# Altium PCB Goldstrike1_Rev01 2014 06 02.PcbDoc (part 3 of 5) (continued)
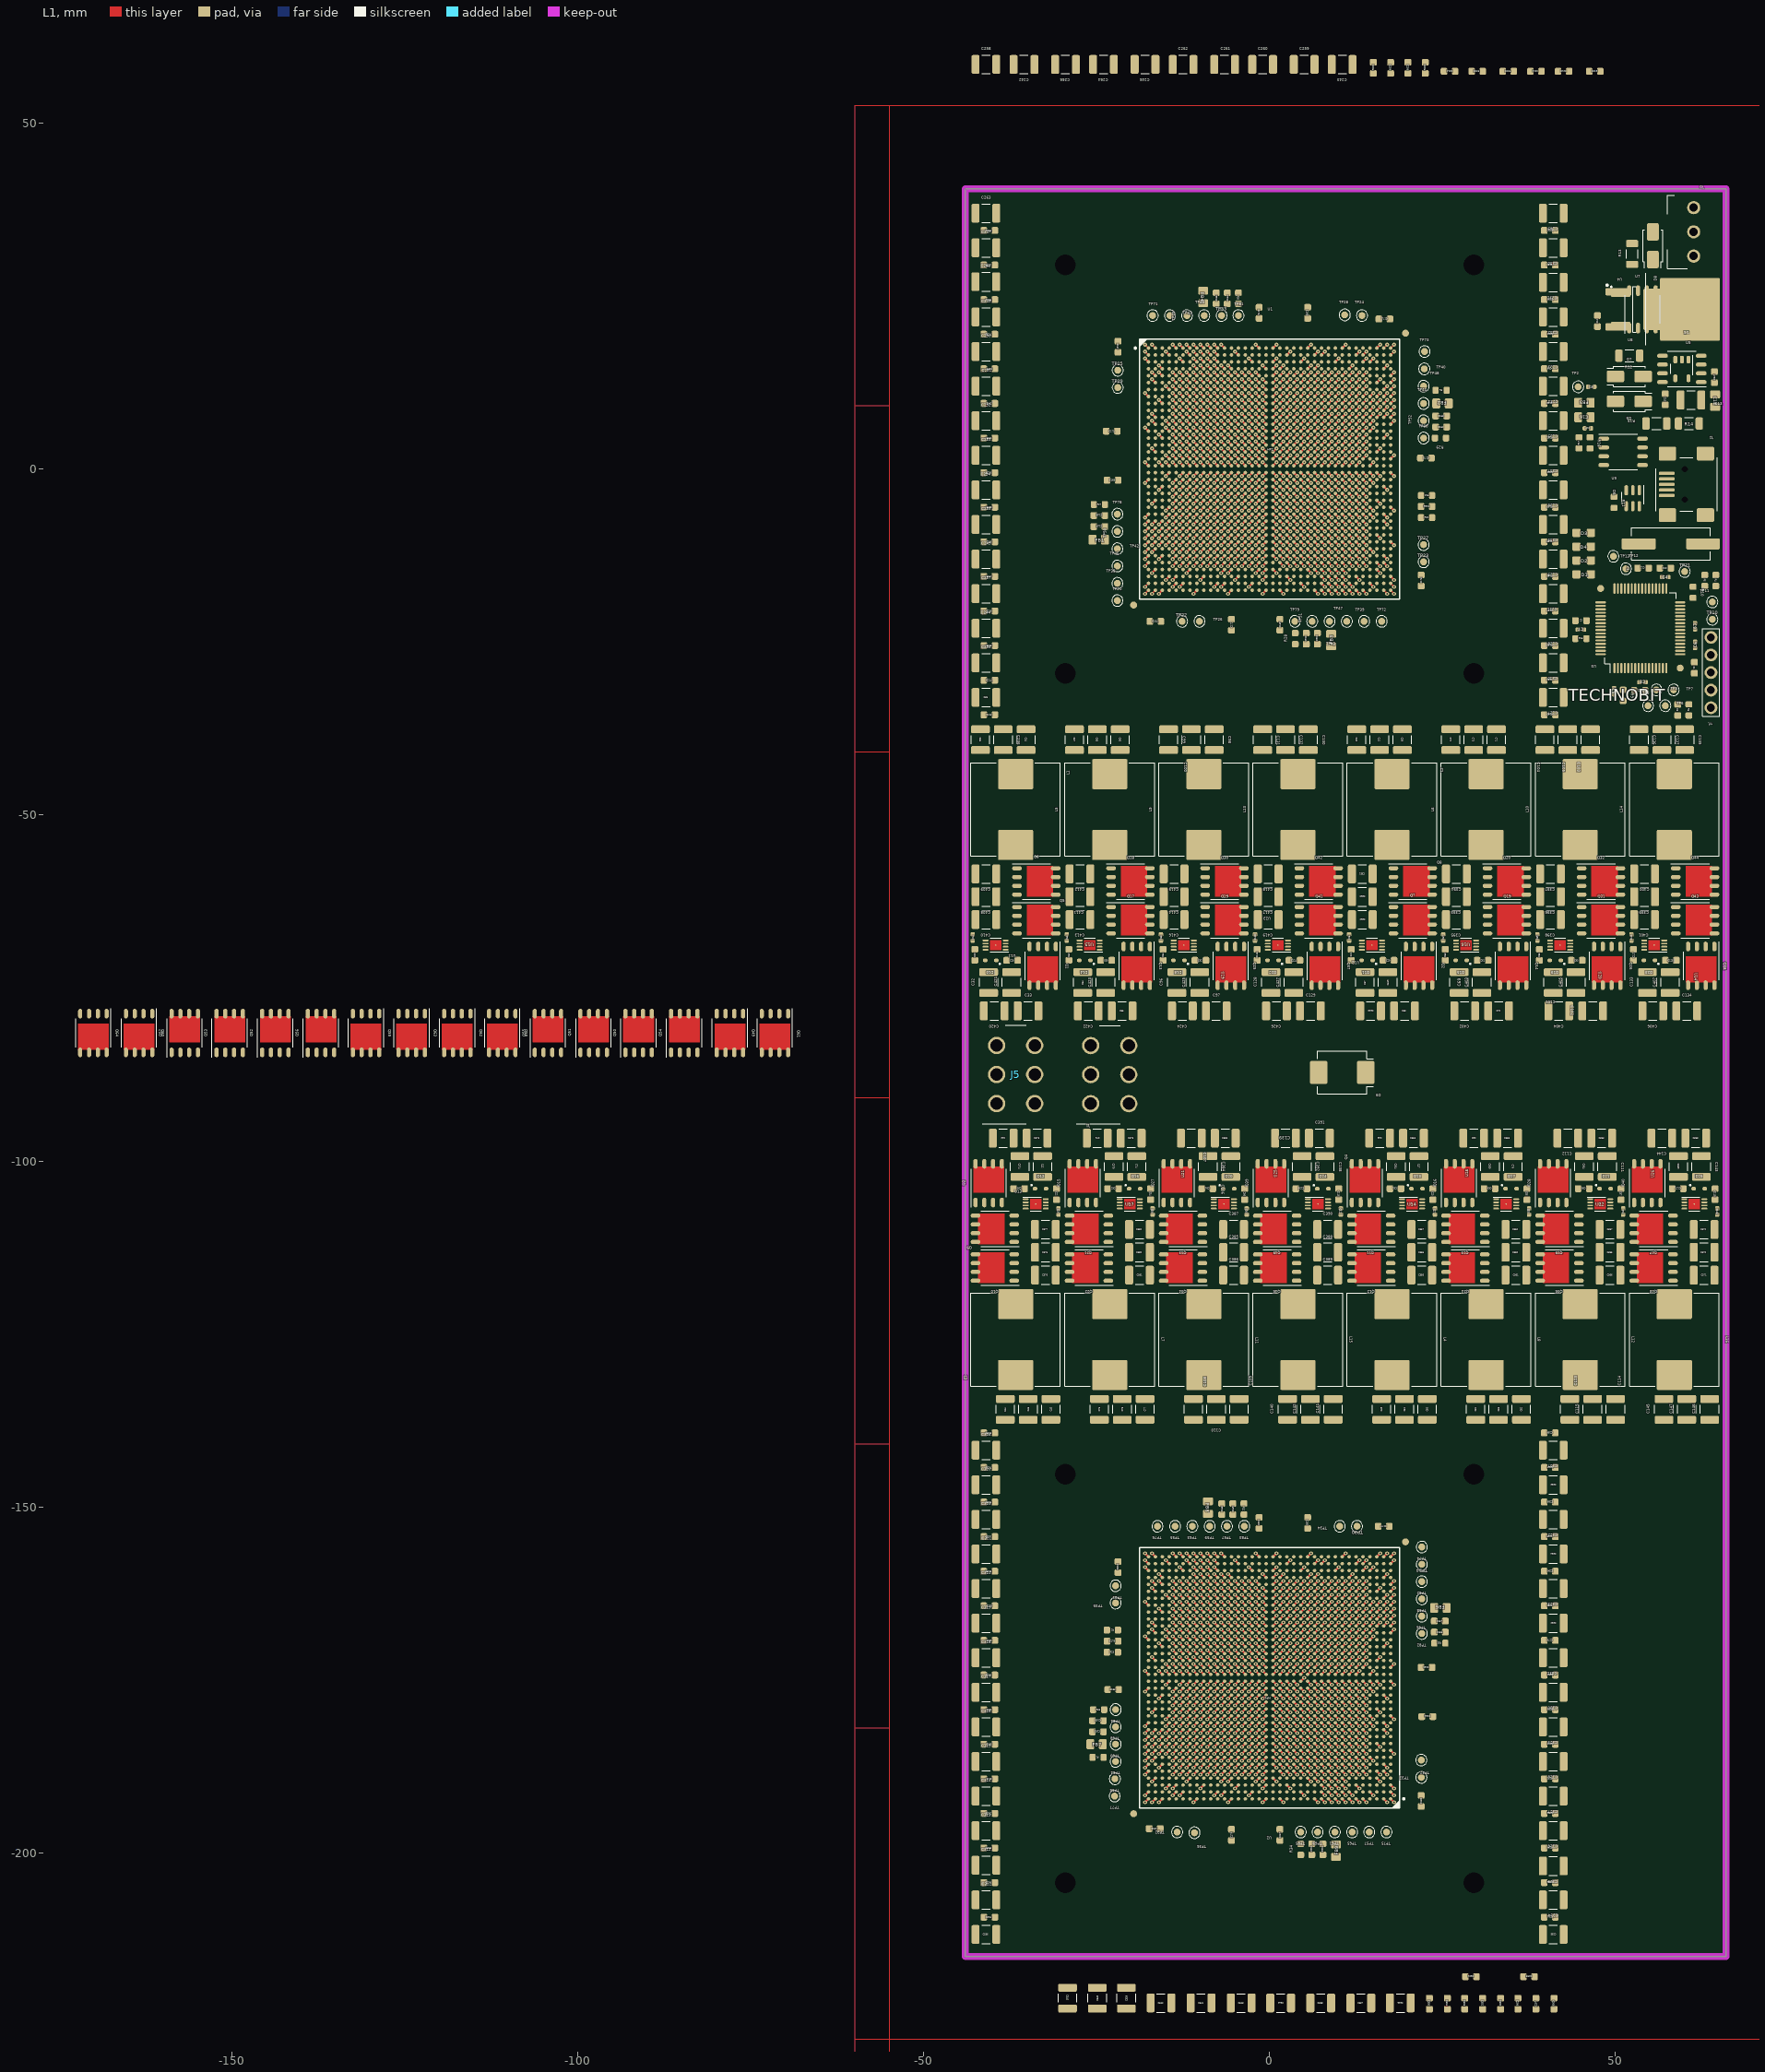
[diagram p0: L1 view]
## Nets (pads, with @x,y where several pads share a name; then routed paths per layer and width w, separated by ;. In a path a pad name is that pad's centre, name@x,y a point inside that pad or via, vN(x,y) a via of type N, cw(c..) or ccw(c..) an arc to the next point about the centre after c; other vN are vias at no path point) (continued)
3.3V: C4.1 C6.1 C7.1 C8.1 C9.1 C13.2 C14.1 C24.1 C25.1 C26.1 C27.1 C56.1 C57.1 C58.1 C59.1 C88.1 C89.1 C90.1 C91.1 C120.1 C121.1 C122.1 C123.1 C164.2 C165.2 C166.2 C167.2 C168.2 C169.2 C170.2 C171.2 C172.2 C173.2 C174.2 C175.2 C176.2 C177.2 C178.2 C179.2 C180.2 C181.2 C182.2 C183.2 C184.2 C185.2 C186.2 C187.2 C347.1 J1.2 R9.2 R14.2 R21.1 R27.1 R28.1 R29.1 R30.1 R31.1 R32.1 R33.1 R34.1 U1.A7 U1.A17 U1.A24 U1.A34 U1.AA35 U1.AB5 U1.AC2 U1.AD36 U1.AE33 U1.AF3 U1.AH34 U1.AJ4 U1.AK1 U1.AL35 U1.AM5 U1.AM22 U1.AM32 U1.AM34 U1.AN2 U1.AN12 U1.AN19 U1.AN29 U1.AP5 U1.AP9 U1.AP26 U1.AP36 U1.AR6 U1.AR16 U1.AR23 U1.AR33 U1.AT3 U1.AT13 U1.AT20 U1.AT30 U1.B4 U1.B14 U1.B21 U1.B31 U1.C1 U1.C11 U1.C28 U1.C32 U1.D8 U1.D18 U1.D25 U1.D35 U1.E3 U1.E5 U1.E15 U1.E32 U1.F2 U1.G36 U1.H33 U1.J3 U1.L34 U1.M4 U1.N1 U1.P35 U1.R32 U1.T2 U1.U36 U1.V33 U1.W4 U1.Y1 U2.A7 U2.A17 U2.A24 U2.A34 U2.AA35 U2.AB5 U2.AC2 U2.AD36 U2.AE33 U2.AF3 U2.AH34 U2.AJ4 U2.AK1 U2.AL35 U2.AM5 U2.AM22 U2.AM32 U2.AM34 U2.AN2 U2.AN12 U2.AN19 U2.AN29 U2.AP5 U2.AP9 U2.AP26 U2.AP36 U2.AR6 U2.AR16 U2.AR23 U2.AR33 U2.AT3 U2.AT13 U2.AT20 U2.AT30 U2.B4 U2.B14 U2.B21 U2.B31 U2.C1 U2.C11 U2.C28 U2.C32 U2.D8 U2.D18 U2.D25 U2.D35 U2.E3 U2.E5 U2.E15 U2.E32 U2.F2 U2.G36 U2.H33 U2.J3 U2.L34 U2.M4 U2.N1 U2.P35 U2.R32 U2.T2 U2.U36 U2.V33 U2.W4 U2.Y1 U3.10 U3.19 U3.26 U3.35 U3.38 U3.57 U5.5 U6.1 U11.6 U12.6 U13.6 U14.6 U15.6 U16.6 U17.6 U18.6 U19.6 U20.6 U21.6 U22.6 U23.6 U24.6 U25.6 U26.6 | length 90.5
  L1 w0.3: v1(-18,-186.7) U2.G36@-17.5,-186.2 ; v1(-18,-176.7) U2.U36@-17.5,-176.2 ; v1(-18,-168.7) U2.AD36@-17.5,-169.2 ; v1(-18,-158.7) U2.AP36@-17.5,-159.2 ; v1(-18,-12) U1.AK1@-17.5,-11.5 ; v1(-18,-2) U1.Y1@-17.5,-1.5 ; v1(-18,6) U1.N1@-17.5,5.5 ; v1(-18,16) U1.C1@-17.5,15.5 ; v1(-17,-189.7) U2.D35@-16.5,-189.2 ; v1(-17,-179.7) U2.P35@-16.5,-179.2 ; v1(-17,-171.7) U2.AA35@-16.5,-172.2 ; v1(-17,-161.7) U2.AL35@-16.5,-162.2 ; v1(-17,-15) U1.AN2@-16.5,-14.5 ; v1(-17,-5) U1.AC2@-16.5,-4.5 ; v1(-17,3) U1.T2@-16.5,2.5 ; v1(-17,13) U1.F2@-16.5,12.5 ; v1(-16,-192.7) U2.A34@-15.5,-192.2 ; v1(-16,-182.7) U2.L34@-15.5,-182.2 ; v1(-16,-164.7) U2.AH34@-15.5,-165.2 ; v1(-16,-160.7) U2.AM34@-15.5,-161.2 ; v1(-16,-18) U1.AT3@-15.5,-17.5 ; v1(-16,-8) U1.AF3@-15.5,-7.5 ; v1(-16,10) U1.J3@-15.5,9.5 ; v1(-16,14) U1.E3@-15.5,13.5 ; v1(-15,-185.7) U2.H33@-14.5,-185.2 ; v1(-15,-175.7) U2.V33@-14.5,-175.2 ; v1(-15,-167.7) U2.AE33@-14.5,-168.2 ; v1(-15,-157.7) U2.AR33@-14.5,-158.2 ; v1(-15,-11) U1.AJ4@-14.5,-10.5 ; v1(-15,-1) U1.W4@-14.5,-0.5 ; v1(-15,7) U1.M4@-14.5,6.5 ; v1(-15,17) U1.B4@-14.5,16.5 ; v1(-14,-190.7) U2.C32@-13.5,-190.2 ; v1(-14,-188.7) U2.E32@-13.5,-188.2 ; v1(-14,-178.7) U2.R32@-13.5,-178.2 ; v1(-14,-160.7) U2.AM32@-13.5,-161.2 ; v1(-14,-16) U1.AP5@-13.5,-15.5 ; v1(-14,-14) U1.AM5@-13.5,-13.5 ; v1(-14,-4) U1.AB5@-13.5,-3.5 ; v1(-14,14) U1.E5@-13.5,13.5 ; v1(-13,-191.7) U2.B31@-12.5,-191.2 ; v1(-13,-17) U1.AR6@-12.5,-16.5 ; v1(-12,-156.7) U2.AT30@-11.5,-157.2 ; v1(-12,18) U1.A7@-11.5,17.5 ; v1(-11,-159.7) U2.AN29@-10.5,-160.2 ; v1(-11,15) U1.D8@-10.5,14.5 ; v1(-10,-190.7) U2.C28@-9.5,-190.2 ; v1(-10,-16) U1.AP9@-9.5,-15.5 ; v1(-8,-158.7) U2.AP26@-7.5,-159.2 ; v1(-8,16) U1.C11@-7.5,15.5 ; v1(-7,-189.7) U2.D25@-6.5,-189.2 ; v1(-7,-15) U1.AN12@-6.5,-14.5 ; v1(-6,-192.7) U2.A24@-5.5,-192.2 ; v1(-6,-18) U1.AT13@-5.5,-17.5 ; v1(-5,-157.7) U2.AR23@-4.5,-158.2 ; v1(-5,17) U1.B14@-4.5,16.5 ; v1(-4,-160.7) U2.AM22@-3.5,-161.2 ; v1(-4,14) U1.E15@-3.5,13.5 ; v1(-3,-191.7) U2.B21@-2.5,-191.2 ; v1(-3,-17) U1.AR16@-2.5,-16.5 ; v1(-2,-156.7) U2.AT20@-1.5,-157.2 ; v1(-2,18) U1.A17@-1.5,17.5 ; v1(-1,-159.7) U2.AN19@-0.5,-160.2 ; v1(-1,15) U1.D18@-0.5,14.5 ; U2.D18@0.5,-189.2 v1(1,-189.7) ; U1.AN19@0.5,-14.5 v1(1,-15) ; U2.A17@1.5,-192.2 v1(2,-192.7) ; U1.AT20@1.5,-17.5 v1(2,-18) ; U2.AR16@2.5,-158.2 v1(3,-157.7) ; U1.B21@2.5,16.5 v1(3,17) ; U2.E15@3.5,-188.2 v1(4,-188.7) ; U1.AM22@3.5,-13.5 v1(4,-14) ; U2.B14@4.5,-191.2 v1(5,-191.7) ; U1.AR23@4.5,-16.5 v1(5,-17) ; U2.AT13@5.5,-157.2 v1(6,-156.7) ; U1.A24@5.5,17.5 v1(6,18) ; U2.AN12@6.5,-160.2 v1(7,-159.7) ; U1.D25@6.5,14.5 v1(7,15) ; U2.C11@7.5,-190.2 v1(8,-190.7) ; U1.AP26@7.5,-15.5 v1(8,-16) ; U2.AP9@9.5,-159.2 v1(10,-158.7) ; U1.C28@9.5,15.5 v1(10,16) ; U2.D8@10.5,-189.2 v1(11,-189.7) ; U1.AN29@10.5,-14.5 v1(11,-15) ; U2.A7@11.5,-192.2 v1(12,-192.7) ; U1.AT30@11.5,-17.5 v1(12,-18) ; U2.AR6@12.5,-158.2 v1(13,-157.7) ; U1.B31@12.5,16.5 v1(13,17) ; U2.E5@13.5,-188.2 v1(14,-188.7) ; U2.AB5@13.5,-171.2 v1(14,-170.7) ; U2.AM5@13.5,-161.2 v1(14,-160.7) ; U2.AP5@13.5,-159.2 v1(14,-158.7) ; U1.AM32@13.5,-13.5 v1(14,-14) ; U1.R32@13.5,3.5 v1(14,4) ; U1.E32@13.5,13.5 v1(14,14) ; U1.C32@13.5,15.5 v1(14,16) ; U2.B4@14.5,-191.2 v1(15,-191.7) ; U2.M4@14.5,-181.2 v1(15,-181.7) ; U2.W4@14.5,-174.2 v1(15,-173.7) ; U2.AJ4@14.5,-164.2 v1(15,-163.7) ; U1.AR33@14.5,-16.5 v1(15,-17) ; U1.AE33@14.5,-6.5 v1(15,-7) ; U1.V33@14.5,0.5 v1(15,1) ; U1.H33@14.5,10.5 v1(15,11) ; U2.E3@15.5,-188.2 v1(16,-188.7) ; U2.J3@15.5,-184.2 v1(16,-184.7) ; U2.AF3@15.5,-167.2 v1(16,-166.7) ; U2.AT3@15.5,-157.2 v1(16,-156.7) ; U1.AM34@15.5,-13.5 v1(16,-14) ; U1.AH34@15.5,-9.5 v1(16,-10) ; U1.L34@15.5,7.5 v1(16,8) ; U1.A34@15.5,17.5 v1(16,18) ; U2.F2@16.5,-187.2 v1(17,-187.7) ; U2.T2@16.5,-177.2 v1(17,-177.7) ; U2.AC2@16.5,-170.2 v1(17,-169.7) ; U2.AN2@16.5,-160.2 v1(17,-159.7) ; U1.AL35@16.5,-12.5 v1(17,-13) ; U1.AA35@16.5,-2.5 v1(17,-3) ; U1.P35@16.5,4.5 v1(17,5) ; U1.D35@16.5,14.5 v1(17,15) ; U2.C1@17.5,-190.2 v1(18,-190.7) ; U2.N1@17.5,-180.2 v1(18,-180.7) ; U2.Y1@17.5,-173.2 v1(18,-172.7) ; U2.AK1@17.5,-163.2 v1(18,-162.7) ; U1.AP36@17.5,-15.5 v1(18,-16) ; U1.AD36@17.5,-5.5 v1(18,-6) ; U1.U36@17.5,1.5 v1(18,2) ; U1.G36@17.5,11.5 v1(18,12)
5.0V: C12.1 C20.2 C21.2 C22.2 C23.2 C52.2 C53.2 C54.2 C55.2 C84.2 C85.2 C86.2 C87.2 C116.2 C117.2 C118.2 C119.2 D5.2 D7.1 D10.2 D11.2 D12.2 D13.2 D14.2 D15.2 D16.2 D17.2 D18.2 D19.2 D20.2 D21.2 D22.2 D23.2 D24.2 D25.2 J3.1 R12.1 U4.1 U7.3 U8.3 U11.7 U12.7 U13.7 U14.7 U15.7 U16.7 U17.7 U18.7 U19.7 U20.7 U21.7 U22.7 U23.7 U24.7 U25.7 U26.7
12V: C32.2 C33.2 C37.2 C38.2 C42.2 C43.2 C47.2 C48.2 C64.2 C65.2 C69.2 C70.2 C74.2 C75.2 C79.2 C80.2 C96.2 C97.2 C101.2 C102.2 C106.2 C107.2 C111.2 C112.2 C128.2 C129.2 C133.2 C134.2 C138.2 C139.2 C143.2 C144.2 C348.2 C349.2 C353.2 C354.2 C358.2 C359.2 C363.2 C364.2 C368.2 C369.2 C373.2 C374.2 C378.2 C379.2 C383.2 C384.2 C391.2 C392.2 C402.2 C403.2 C404.2 C405.2 C406.2 C407.2 C420.2 C421.2 C422.2 C423.2 C424.2 C425.2 C426.2 C427.2 D8.2 D9.1 J3.3 J4.1 J4.2 J4.3 J5.1 J5.2 J5.3 Q1.5 Q1.6 Q1.7 Q1.8 Q2.5 Q2.6 Q2.7 Q2.8 Q3.5 Q3.6 Q3.7 Q3.8 Q4.5 Q4.6 Q4.7 Q4.8 Q13.5 Q13.6 Q13.7 Q13.8 Q14.5 Q14.6 Q14.7 Q14.8 Q15.5 Q15.6 Q15.7 Q15.8 Q16.5 Q16.6 Q16.7 Q16.8 Q25.5 Q25.6 Q25.7 Q25.8 Q26.5 Q26.6 Q26.7 Q26.8 Q27.5 Q27.6 Q27.7 Q27.8 Q28.5 Q28.6 Q28.7 Q28.8 Q37.5 Q37.6 Q37.7 Q37.8 Q38.5 Q38.6 Q38.7 Q38.8 Q39.5 Q39.6 Q39.7 Q39.8 Q40.5 Q40.6 Q40.7 Q40.8 Q49.5 Q49.6 Q49.7 Q49.8 Q50.5 Q50.6 Q50.7 Q50.8 Q51.5 Q51.6 Q51.7 Q51.8 Q52.5 Q52.6 Q52.7 Q52.8 Q53.5 Q53.6 Q53.7 Q53.8 Q54.5 Q54.6 Q54.7 Q54.8 Q55.5 Q55.6 Q55.7 Q55.8 Q56.5 Q56.6 Q56.7 Q56.8 Q57.5 Q57.6 Q57.7 Q57.8 Q58.5 Q58.6 Q58.7 Q58.8 Q59.5 Q59.6 Q59.7 Q59.8 Q60.5 Q60.6 Q60.7 Q60.8 Q61.5 Q61.6 Q61.7 Q61.8 Q62.5 Q62.6 Q62.7 Q62.8 Q63.5 Q63.6 Q63.7 Q63.8 Q64.5 Q64.6 Q64.7 Q64.8 R4.1 R13.2
$1I69\$1N2815: TP30.1 U2.AM6 | length 0.7
  L1 w0.3: U2.AM6@12.5,-161.2 v1(13,-160.7)
$1I69\$1N2816: TP34.1 U2.AM7 | length 0.7
  L1 w0.3: U2.AM7@11.5,-161.2 v1(12,-160.7)
$1I69\$1N2817: TP31.1 U2.AL32 | length 0.7
  L1 w0.3: v1(-14,-161.7) U2.AL32@-13.5,-162.2
$1I69\$1N2818: TP35.1 U2.AK32 | length 0.7
  L1 w0.3: v1(-14,-162.7) U2.AK32@-13.5,-163.2
$1I69\$1N2819: TP32.1 U2.E31 | length 0.7
  L1 w0.3: v1(-13,-188.7) U2.E31@-12.5,-188.2
$1I69\$1N2820: TP36.1 U2.E30 | length 0.7
  L1 w0.3: v1(-12,-188.7) U2.E30@-11.5,-188.2
$1I69\$1N2821: TP33.1 U2.F5 | length 0.7
  L1 w0.3: U2.F5@13.5,-187.2 v1(14,-187.7)
$1I69\$1N2822: TP37.1 U2.G5 | length 0.7
  L1 w0.3: U2.G5@13.5,-186.2 v1(14,-186.7)
$1I69\$1N2823: TP54.1 U2.AM1 | length 0.7
  L1 w0.3: U2.AM1@17.5,-161.2 v1(18,-160.7)
$1I69\$1N2824: TP58.1 U2.AG2 | length 0.7
  L1 w0.3: U2.AG2@16.5,-166.2 v1(17,-165.7)
$1I69\$1N2825: TP66.1 U2.AG4 | length 0.7
  L1 w0.3: U2.AG4@14.5,-166.2 v1(15,-165.7)
$1I69\$1N2826: TP62.1 U2.AH3 | length 0.7
  L1 w0.3: U2.AH3@15.5,-165.2 v1(16,-164.7)
$1I69\$1N2827: TP55.1 U2.AT32 | length 0.7
  L1 w0.3: v1(-14,-156.7) U2.AT32@-13.5,-157.2
$1I69\$1N2828: TP59.1 U2.AR27 | length 0.7
  L1 w0.3: v1(-9,-157.7) U2.AR27@-8.5,-158.2
$1I69\$1N2829: TP67.1 U2.AN27 | length 0.7
  L1 w0.3: v1(-9,-159.7) U2.AN27@-8.5,-160.2
$1I69\$1N2830: TP63.1 U2.AP28 | length 0.7
  L1 w0.3: v1(-10,-158.7) U2.AP28@-9.5,-159.2
$1I69\$1N2831: TP56.1 U2.E36 | length 0.7
  L1 w0.3: v1(-18,-188.7) U2.E36@-17.5,-188.2
$1I69\$1N2832: TP60.1 U2.K35 | length 0.7
  L1 w0.3: v1(-17,-183.7) U2.K35@-16.5,-183.2
$1I69\$1N2833: TP68.1 U2.K33 | length 0.7
  L1 w0.3: v1(-15,-183.7) U2.K33@-14.5,-183.2
$1I69\$1N2834: TP64.1 U2.J34 | length 0.7
  L1 w0.3: v1(-16,-184.7) U2.J34@-15.5,-184.2
$1I69\$1N2835: TP57.1 U2.A5 | length 0.7
  L1 w0.3: U2.A5@13.5,-192.2 v1(14,-192.7)
$1I69\$1N2836: TP61.1 U2.B10 | length 0.7
  L1 w0.3: U2.B10@8.5,-191.2 v1(9,-191.7)
$1I69\$1N2837: TP69.1 U2.D10 | length 0.7
  L1 w0.3: U2.D10@8.5,-189.2 v1(9,-189.7)
$1I69\$1N2838: TP65.1 U2.C9 | length 0.7
  L1 w0.3: U2.C9@9.5,-190.2 v1(10,-190.7)
$1I69\$1N2867: R31.2 TP82.1 U2.AE4 | length 0.7
  L1 w0.3: U2.AE4@14.5,-168.2 v1(15,-167.7)
$1I69\$1N2868: R32.2 TP83.1 U2.AN25 | length 0.7
  L1 w0.3: v1(-7,-159.7) U2.AN25@-6.5,-160.2
$1I69\$1N2869: R33.2 TP84.1 U2.M33 | length 0.7
  L1 w0.3: v1(-15,-181.7) U2.M33@-14.5,-181.2
$1I69\$1N2870: R34.2 TP85.1 U2.D12 | length 0.7
  L1 w0.3: U2.D12@6.5,-189.2 v1(7,-189.7)
$1I69\ANAVDD_PLL_5: C156.1 C157.1 FB6.2 U2.AF5 | length 0.7
  L1 w0.3: U2.AF5@13.5,-167.2 v1(14,-166.7)
$1I69\ANAVDD_PLL_6: C158.1 C159.1 FB8.2 U2.AM26 | length 0.7
  L1 w0.3: v1(-8,-160.7) U2.AM26@-7.5,-161.2
$1I69\ANAVDD_PLL_7: C160.1 C161.1 FB7.2 U2.L32 | length 0.7
  L1 w0.3: v1(-14,-182.7) U2.L32@-13.5,-182.2
$1I69\ANAVDD_PLL_8: C162.1 C163.1 FB9.2 U2.E11 | length 0.7
  L1 w0.3: U2.E11@7.5,-188.2 v1(8,-188.7)
$1I69\JTG_TRST_L_2: R1.1 U2.AE35 U2.AR12 U2.B25 U2.M2 | length 2.8
  L1 w0.3: v1(-17,-167.7) U2.AE35@-16.5,-168.2 ; v1(-7,-191.7) U2.B25@-6.5,-191.2 ; U2.AR12@6.5,-158.2 v1(7,-157.7) ; U2.M2@16.5,-181.2 v1(17,-181.7)
$1I69\PLL_BYPASS_IN_2: R2.1 U2.A9 U2.AH1 U2.AT28 U2.J36 | length 2.8
  L1 w0.3: v1(-18,-184.7) U2.J36@-17.5,-184.2 ; v1(-10,-156.7) U2.AT28@-9.5,-157.2 ; U2.A9@9.5,-192.2 v1(10,-192.7) ; U2.AH1@17.5,-165.2 v1(18,-164.7)
$1I69\TEST_MODE_2: R23.1 U2.AD33 U2.AN13 U2.D24 U2.N4 | length 2.8
  L1 w0.3: v1(-15,-168.7) U2.AD33@-14.5,-169.2 ; v1(-6,-189.7) U2.D24@-5.5,-189.2 ; U2.AN13@5.5,-160.2 v1(6,-159.7) ; U2.N4@14.5,-180.2 v1(15,-180.7)
$1I79\$1N2293: TP6.1 U3.13
$1I79\$1N2294: TP7.1 U3.14
$1I79\$1N2311: TP10.1 U3.21
$1I79\$1N2312: TP11.1 U3.22
$1I79\$1N2359: TP12.1 U3.43
$1I79\$1N2360: TP13.1 U3.42
$1I79\$1N2443: TP21.1 U3.33
$1I79\$1N2464: R16.2 R17.1 U9.2
$1I79\$1N2473: TP3.1 U3.11
$1I79\$1N2474: TP5.1 U3.12
$1I79\D+: D6.1 J2.3 U3.37
$1I79\D-: D6.3 J2.2 U3.36
$1I79\FB: C3.1 R6.1 U3.17
$1I79\GREEN: D2.2 U3.47
$1I79\LDO3.3V-5.0V: R14.1 R15.1 U9.5 U9.8
$1I79\LDO5.0V: C15.1 D5.1 D7.2 R11.1 R12.2 R15.2 U5.1 U5.3 U6.5 U6.8
$1I79\LM12V: D8.1 R13.1 U4.8 U7.1 U8.1
$1I79\MAIN_OSC_IN: C10.1 U3.39 Y1.1
$1I79\MAIN_OSC_OUT: C11.1 U3.40 Y1.2
$1I79\MCLR: C5.1 J1.1 R9.1 U3.7
$1I79\MCU5.0V: R10.2 U3.34
$1I79\MEAS12: C1.1 R4.2 R5.2 U3.18
$1I79\ORANGE: D4.2 U3.45
$1I79\PGC: J1.5 U3.15
$1I79\PGD: J1.4 U3.16
$1I79\PLL_SUP: C16.1 C17.1 FB5.1 R16.1 U9.1
$1I79\RED: D1.2 U3.48
$1I79\USB5.0V: D6.4 D6.6 J2.1 R10.1 R11.2
$1I79\VCAP: C2.1 U3.56
$1I79\VDD_PLL: C18.1 FB5.2 TP2.1
$1I79\YELLOW: D3.2 U3.44
$1I84\BOOT1: C28.1 D10.1 U11.8
$1I84\BOOT2: C60.1 D14.1 U15.8
$1I84\BOOT3: C92.1 D18.1 U19.8
$1I84\BOOT4: C124.1 D22.1 U23.8
$1I84\BOOT5: C29.1 D11.1 U12.8
$1I84\BOOT6: C61.1 D15.1 U16.8
$1I84\BOOT7: C93.1 D19.1 U20.8
$1I84\BOOT8: C125.1 D23.1 U24.8
$1I84\BOOT9: C30.1 D12.1 U13.8
$1I84\BOOT10: C62.1 D16.1 U17.8
$1I84\BOOT11: C94.1 D20.1 U21.8
$1I84\BOOT12: C126.1 D24.1 U25.8
$1I84\BOOT13: C31.1 D13.1 U14.8
$1I84\BOOT14: C63.1 D17.1 U18.8
$1I84\BOOT15: C95.1 D21.1 U22.8
$1I84\BOOT16: C127.1 D25.1 U26.8
$1I84\HO1: Q1.4 Q61.4 U11.1
$1I84\HO2: Q13.4 Q62.4 U15.1
$1I84\HO3: Q25.4 Q63.4 U19.1
$1I84\HO4: Q37.4 Q64.4 U23.1
$1I84\HO5: Q2.4 Q49.4 U12.1
$1I84\HO6: Q14.4 Q58.4 U16.1
$1I84\HO7: Q26.4 Q59.4 U20.1
$1I84\HO8: Q38.4 Q60.4 U24.1
$1I84\HO9: Q3.4 Q54.4 U13.1
$1I84\HO10: Q15.4 Q55.4 U17.1
$1I84\HO11: Q27.4 Q56.4 U21.1
$1I84\HO12: Q39.4 Q57.4 U25.1
$1I84\HO13: Q4.4 Q50.4 U14.1
$1I84\HO14: Q16.4 Q51.4 U18.1
$1I84\HO15: Q28.4 Q52.4 U22.1
$1I84\HO16: Q40.4 Q53.4 U26.1
$1I84\LO1: Q5.4 Q6.4 U11.3
$1I84\LO2: Q17.4 Q18.4 U15.3
$1I84\LO3: Q29.4 Q30.4 U19.3
$1I84\LO4: Q41.4 Q42.4 U23.3
$1I84\LO5: Q7.4 Q8.4 U12.3
$1I84\LO6: Q19.4 Q20.4 U16.3
$1I84\LO7: Q31.4 Q32.4 U20.3
$1I84\LO8: Q43.4 Q44.4 U24.3
$1I84\LO9: Q9.4 Q10.4 U13.3
$1I84\LO10: Q21.4 Q22.4 U17.3
$1I84\LO11: Q33.4 Q34.4 U21.3
$1I84\LO12: Q45.4 Q46.4 U25.3
$1I84\LO13: Q11.4 Q12.4 U14.3
$1I84\LO14: Q23.4 Q24.4 U18.3
$1I84\LO15: Q35.4 Q36.4 U22.3
$1I84\LO16: Q47.4 Q48.4 U26.3
$1I84\SWN1: C28.2 L1.1 Q1.1 Q1.2 Q1.3 Q5.5 Q5.6 Q5.7 Q5.8 Q6.5 Q6.6 Q6.7 Q6.8 Q61.1 Q61.2 Q61.3 U11.2
$1I84\SWN2: C60.2 L5.1 Q13.1 Q13.2 Q13.3 Q17.5 Q17.6 Q17.7 Q17.8 Q18.5 Q18.6 Q18.7 Q18.8 Q62.1 Q62.2 Q62.3 U15.2
$1I84\SWN3: C92.2 L9.1 Q25.1 Q25.2 Q25.3 Q29.5 Q29.6 Q29.7 Q29.8 Q30.5 Q30.6 Q30.7 Q30.8 Q63.1 Q63.2 Q63.3 U19.2
$1I84\SWN4: C124.2 L13.1 Q37.1 Q37.2 Q37.3 Q41.5 Q41.6 Q41.7 Q41.8 Q42.5 Q42.6 Q42.7 Q42.8 Q64.1 Q64.2 Q64.3 U23.2
$1I84\SWN5: C29.2 L2.1 Q2.1 Q2.2 Q2.3 Q7.5 Q7.6 Q7.7 Q7.8 Q8.5 Q8.6 Q8.7 Q8.8 Q49.1 Q49.2 Q49.3 U12.2
$1I84\SWN6: C61.2 L6.1 Q14.1 Q14.2 Q14.3 Q19.5 Q19.6 Q19.7 Q19.8 Q20.5 Q20.6 Q20.7 Q20.8 Q58.1 Q58.2 Q58.3 U16.2
$1I84\SWN7: C93.2 L10.1 Q26.1 Q26.2 Q26.3 Q31.5 Q31.6 Q31.7 Q31.8 Q32.5 Q32.6 Q32.7 Q32.8 Q59.1 Q59.2 Q59.3 U20.2
$1I84\SWN8: C125.2 L14.1 Q38.1 Q38.2 Q38.3 Q43.5 Q43.6 Q43.7 Q43.8 Q44.5 Q44.6 Q44.7 Q44.8 Q60.1 Q60.2 Q60.3 U24.2
$1I84\SWN9: C30.2 L3.1 Q3.1 Q3.2 Q3.3 Q9.5 Q9.6 Q9.7 Q9.8 Q10.5 Q10.6 Q10.7 Q10.8 Q54.1 Q54.2 Q54.3 U13.2
$1I84\SWN10: C62.2 L7.1 Q15.1 Q15.2 Q15.3 Q21.5 Q21.6 Q21.7 Q21.8 Q22.5 Q22.6 Q22.7 Q22.8 Q55.1 Q55.2 Q55.3 U17.2
$1I84\SWN11: C94.2 L11.1 Q27.1 Q27.2 Q27.3 Q33.5 Q33.6 Q33.7 Q33.8 Q34.5 Q34.6 Q34.7 Q34.8 Q56.1 Q56.2 Q56.3 U21.2
$1I84\SWN12: C126.2 L15.1 Q39.1 Q39.2 Q39.3 Q45.5 Q45.6 Q45.7 Q45.8 Q46.5 Q46.6 Q46.7 Q46.8 Q57.1 Q57.2 Q57.3 U25.2
$1I84\SWN13: C31.2 L4.1 Q4.1 Q4.2 Q4.3 Q11.5 Q11.6 Q11.7 Q11.8 Q12.5 Q12.6 Q12.7 Q12.8 Q50.1 Q50.2 Q50.3 U14.2
$1I84\SWN14: C63.2 L8.1 Q16.1 Q16.2 Q16.3 Q23.5 Q23.6 Q23.7 Q23.8 Q24.5 Q24.6 Q24.7 Q24.8 Q51.1 Q51.2 Q51.3 U18.2
$1I84\SWN15: C95.2 L12.1 Q28.1 Q28.2 Q28.3 Q35.5 Q35.6 Q35.7 Q35.8 Q36.5 Q36.6 Q36.7 Q36.8 Q52.1 Q52.2 Q52.3 U22.2
$1I84\SWN16: C127.2 L16.1 Q40.1 Q40.2 Q40.3 Q47.5 Q47.6 Q47.7 Q47.8 Q48.5 Q48.6 Q48.7 Q48.8 Q53.1 Q53.2 Q53.3 U26.2
$1I89\$1N2815: TP22.1 U1.AM6 | length 0.7
  L1 w0.3: v1(-13,-14) U1.AM6@-12.5,-13.5
$1I89\$1N2816: TP26.1 U1.AM7 | length 0.7
  L1 w0.3: v1(-12,-14) U1.AM7@-11.5,-13.5
$1I89\$1N2817: TP23.1 U1.AL32 | length 0.7
  L1 w0.3: U1.AL32@13.5,-12.5 v1(14,-13)
$1I89\$1N2818: TP27.1 U1.AK32 | length 0.7
  L1 w0.3: U1.AK32@13.5,-11.5 v1(14,-12)
$1I89\$1N2819: TP24.1 U1.E31 | length 0.7
  L1 w0.3: U1.E31@12.5,13.5 v1(13,14)
$1I89\$1N2820: TP28.1 U1.E30 | length 0.7
  L1 w0.3: U1.E30@11.5,13.5 v1(12,14)
$1I89\$1N2821: TP25.1 U1.F5 | length 0.7
  L1 w0.3: v1(-14,13) U1.F5@-13.5,12.5
$1I89\$1N2822: TP29.1 U1.G5 | length 0.7
  L1 w0.3: v1(-14,12) U1.G5@-13.5,11.5
$1I89\$1N2823: TP38.1 U1.AM1 | length 0.7
  L1 w0.3: v1(-18,-14) U1.AM1@-17.5,-13.5
$1I89\$1N2824: TP42.1 U1.AG2 | length 0.7
  L1 w0.3: v1(-17,-9) U1.AG2@-16.5,-8.5
$1I89\$1N2825: TP50.1 U1.AG4 | length 0.7
  L1 w0.3: v1(-15,-9) U1.AG4@-14.5,-8.5
$1I89\$1N2826: TP46.1 U1.AH3 | length 0.7
  L1 w0.3: v1(-16,-10) U1.AH3@-15.5,-9.5
$1I89\$1N2827: TP39.1 U1.AT32 | length 0.7
  L1 w0.3: U1.AT32@13.5,-17.5 v1(14,-18)
$1I89\$1N2828: TP43.1 U1.AR27 | length 0.7
  L1 w0.3: U1.AR27@8.5,-16.5 v1(9,-17)
$1I89\$1N2829: TP51.1 U1.AN27 | length 0.7
  L1 w0.3: U1.AN27@8.5,-14.5 v1(9,-15)
$1I89\$1N2830: TP47.1 U1.AP28 | length 0.7
  L1 w0.3: U1.AP28@9.5,-15.5 v1(10,-16)
$1I89\$1N2831: TP40.1 U1.E36 | length 0.7
  L1 w0.3: U1.E36@17.5,13.5 v1(18,14)
$1I89\$1N2832: TP44.1 U1.K35 | length 0.7
  L1 w0.3: U1.K35@16.5,8.5 v1(17,9)
$1I89\$1N2833: TP52.1 U1.K33 | length 0.7
  L1 w0.3: U1.K33@14.5,8.5 v1(15,9)
$1I89\$1N2834: TP48.1 U1.J34 | length 0.7
  L1 w0.3: U1.J34@15.5,9.5 v1(16,10)
$1I89\$1N2835: TP41.1 U1.A5 | length 0.7
  L1 w0.3: v1(-14,18) U1.A5@-13.5,17.5
$1I89\$1N2836: TP45.1 U1.B10 | length 0.7
  L1 w0.3: v1(-9,17) U1.B10@-8.5,16.5
$1I89\$1N2837: TP53.1 U1.D10 | length 0.7
  L1 w0.3: v1(-9,15) U1.D10@-8.5,14.5
$1I89\$1N2838: TP49.1 U1.C9 | length 0.7
  L1 w0.3: v1(-10,16) U1.C9@-9.5,15.5
$1I89\$1N2867: R30.2 TP81.1 U1.D12 | length 0.7
  L1 w0.3: v1(-7,15) U1.D12@-6.5,14.5
$1I89\$1N2868: R29.2 TP80.1 U1.M33 | length 0.7
  L1 w0.3: U1.M33@14.5,6.5 v1(15,7)
$1I89\$1N2869: R28.2 TP79.1 U1.AN25 | length 0.7
  L1 w0.3: U1.AN25@6.5,-14.5 v1(7,-15)
$1I89\$1N2870: R27.2 TP78.1 U1.AE4 | length 0.7
  L1 w0.3: v1(-15,-7) U1.AE4@-14.5,-6.5